# Altium PCB PCBA-2075-02.PcbDoc (part 2 of 2)
Units mil, origin at the board's own origin, x right, y up, seen from the top; angles counter-clockwise.
Board outline 4700 x 3550 mil, 4 copper layers (Top Layer, Signal Layer 1, Signal Layer 2, Bottom Layer), stack 65.3 mil thick; 129 components, 149 nets, 748 pads, 314 vias.
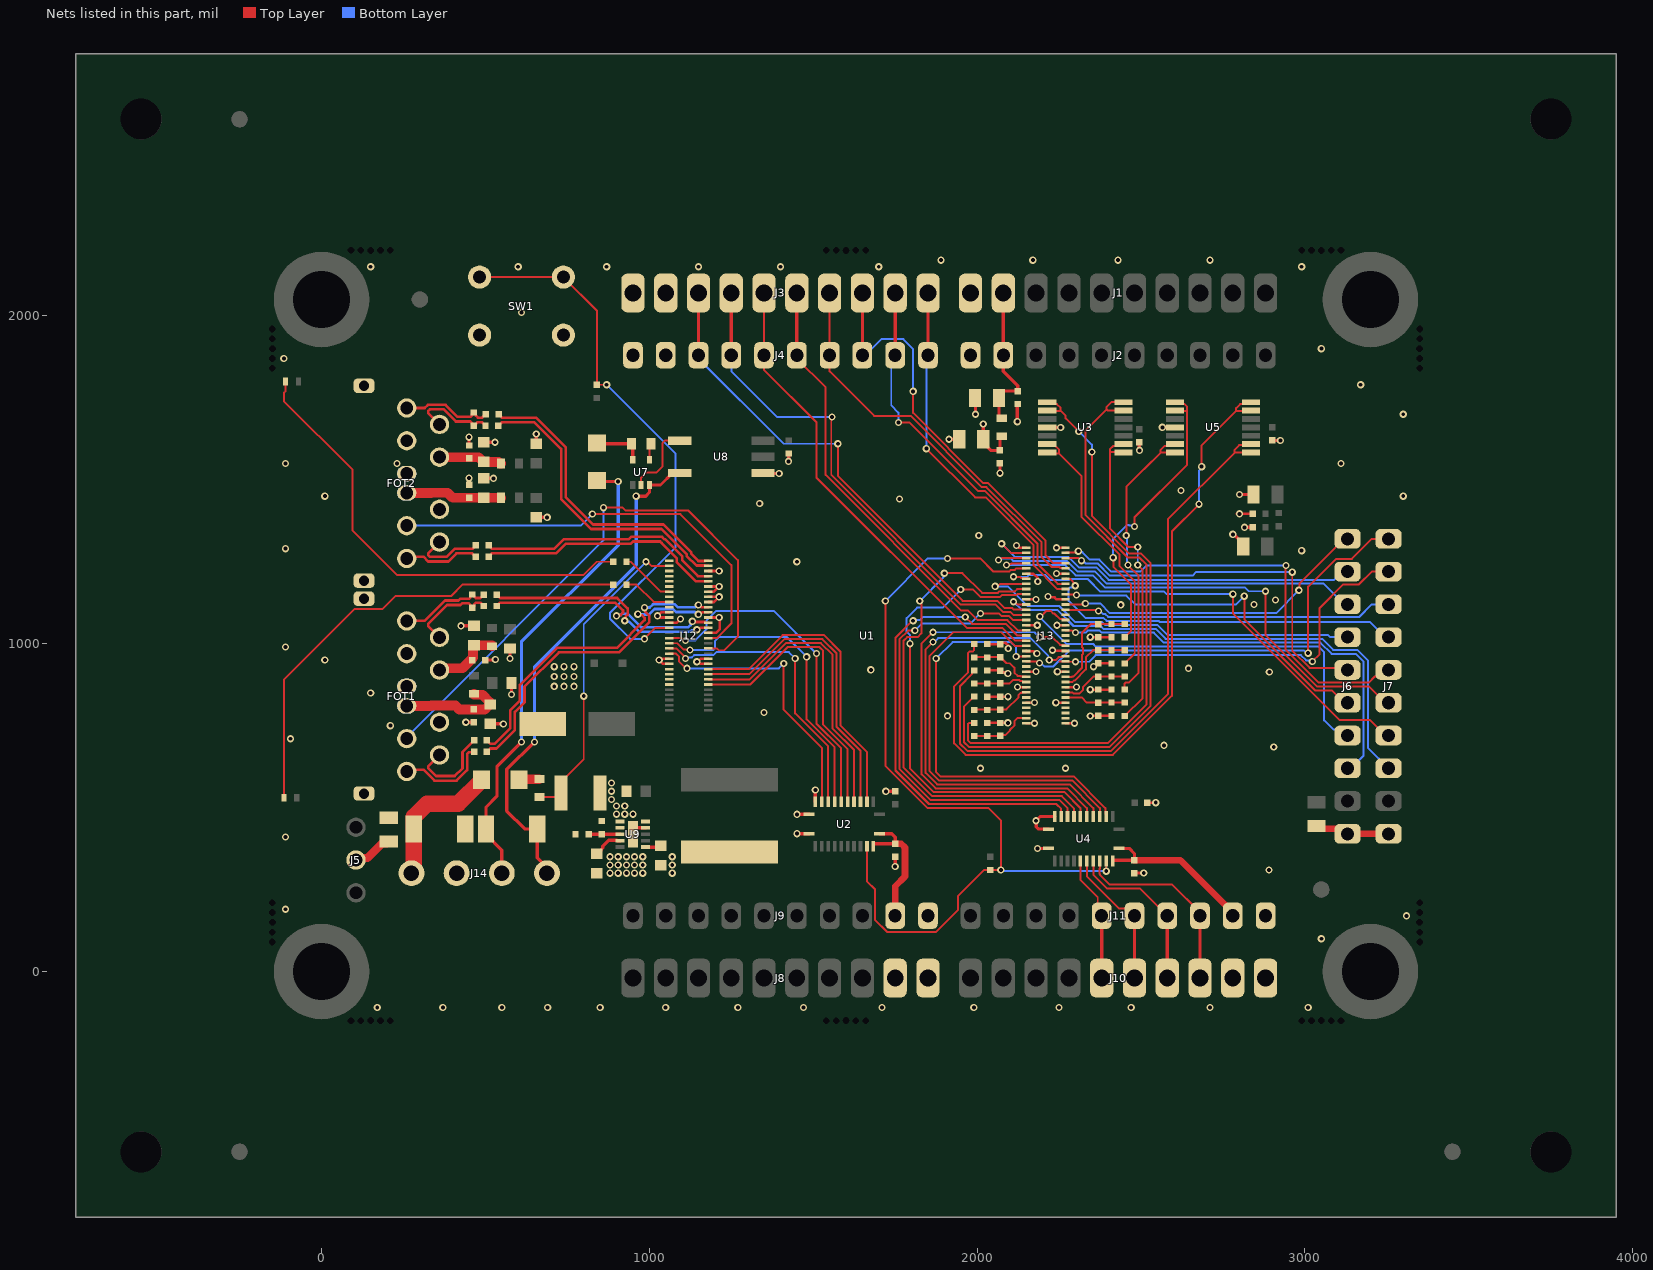
[diagram p4: the nets of this part, all layers, seen from the top]

## Via types
v1: diameter 22, hole 12, Top Layer to Bottom Layer, tented both sides, 314 vias

## Nets (pads, with @x,y where several pads share a name; then routed paths per layer and width w, separated by ;. In a path a pad name is that pad's centre, name@x,y a point inside that pad or via, vN(x,y) a via of type N, cw(c..) or ccw(c..) an arc to the next point about the centre after c; other vN are vias at no path point) (continued)
F5: J10.5 J11.5 U4.18 | length 394
  Top Layer w6: U4.18@2315.16,337.09 2315.16,279.84 2368,227 2368,206.09 2391.98,182.1 2392.1,182.1 J11.5@2380,170
  Top Layer w10: J10.5@2380,-20 J11.5@2380,170
F6: J10.6 J11.6 U4.19 | length 437.7
  Top Layer w6: U4.19@2334.84,337.09 2334.84,290.16 2433,192 2468,192 2480,180 J11.6@2480,170
  Top Layer w10: J10.6@2480,-20 J11.6@2480,170
F7: J10.7 J11.7 U4.20 | length 511.1
  Top Layer w6: U4.20@2354.53,337.09 2354.53,295.47 2397,253 2497,253 2550.41,199.59 2553.91,199.59 2580,173.51 J11.7@2580,170
  Top Layer w10: J10.7@2580,-20 J11.7@2580,170
F8: J10.8 J11.8 U4.21 | length 595.3
  Top Layer w6: U4.21@2374.21,337.09 2374.21,314.7 2373.9,314.39 2373.9,297.82 2374.21,297.5 2374.21,295.79 2405,265 2595,265 2680,180 J11.8@2680,170
  Top Layer w10: J10.8@2680,-20 J11.8@2680,170
GND: C1.1 C2.2 C3.2 C4.1 C5.2 C6.1 C7.2 C8.1 C9.1 C10.1 C11.1 C12.1 C13.1 C14.1 C15.1 C16.1 C17.2 C18.1 C19.1 C20.1 C21.1 C22.1 C23.1 C24.2 C27.1 C28.1 C29.- C30.2 C31.2 C34.1 C63.1 C64.1 C65.1 C68.1 C69.1 C70.2 C74.1 C75.1 C76.1 C79.1 C80.1 C81.2 FOT1.1 FOT1.4 FOT1.6 FOT1.8 FOT1.12 FOT2.1 FOT2.4 FOT2.6 FOT2.8 FOT2.12 J1.10 J2.10 J3.10 J4.10 J6.10 J7.10 J8.10 J9.10 J10.10 J11.10 J12.5 J12.11 J12.13 J12.15 J12.17 J12.22 J12.23 J12.24 J12.26 J12.29 J12.39 J12.40 J12.41 J12.42 J13.1 J13.2 J13.11 J13.12 J13.21 J13.22 J13.31 J13.32 J13.41 J13.42 J13.49 J13.50 J13.55 J13.56 J13.61 J13.62 J13.69 J13.70 J14.2 R2.1 R4.1 R6.1 R8.1 R11.1 R13.1 R15.1 R17.1 R21.2 SW1.2 TVS1.A U1.A1 U1.A2 U1.A11 U1.A12 U1.A21 U1.A22 U1.A31 U1.A32 U1.A41 U1.A42 U1.A49 U1.A50 U1.A55 U1.A56 U1.A61 U1.A62 U1.A69 U1.A70 U1.B5 U1.B11 U1.B13 U1.B15 U1.B17 U1.B22 U1.B23 U1.B24 U1.B26 U1.B29 U1.B39 U1.B40 U1.B41 U1.B42 U2.11 U2.12 U2.13 U3.11 U4.11 U4.12 U4.13 U5.11 U8.4 U9.1 U9.9 U9.11 | length 3187.2
  Top Layer w8: v1(1025,1085) 1028.13,1081.87 1031.01,1081.87 1032.76,1080.12 U1.B24@1060.35,1080.12 ; v1@1025.29,1085 1036.15,1095.87 U1.B22@1060.35,1095.87 ; U1.B42@1059.37,938.39 1041.61,938.39 v1(1030,950) 1033.79,950 1037.92,954.13 U1.B40@1059.37,954.13 ; U1.B26@1060.35,1064.37 1083.85,1064.37 1094.48,1075 v1(1095,1075) ; U1.B41@1179.65,938.39 1155.4,938.39 1148.79,945 1157.92,954.13 U1.B39@1179.65,954.13 ; U1.B29@1179.65,1032.87 1202.87,1032.87 1215,1045 1215,1078.27 v1(1213.15,1080.12) U1.B23@1180.63,1080.12 ; U1.B17@1180.63,1127.36 1196.8,1127.36 v1@1212.55,1143.11 ; U1.B15@1180.63,1143.11 v1@1212.55,1143.11 ; U1.B13@1180.63,1158.86 1196.8,1158.86 v1@1212.55,1174.61 ; U1.B11@1180.63,1174.61 v1@1212.55,1174.61 ; U1.B5@1180.63,1221.85 v1(1213.15,1221.85) ; v1(1213.15,1143.11) v1@1212.55,1143.11 ; v1(1213.15,1174.61) v1@1212.55,1174.61 ; R13.1@2030.63,758.56 v1(2093.56,758.56) ; R15.1@2030.63,838.39 v1(2094.14,838.39) ; R2.1@2030.63,918.56 2070.63,918.56 C10.1@2070.63,918.07 2076.47,912.23 2087.13,912.23 2089.92,909.44 v1(2093.71,909.44) ; R4.1@2030.63,998.56 2070.63,998.56 2074.84,1002.77 2086.7,1002.77 2095,994.47 v1(2095,985) ; v1(2069.69,1520.31) C2.2@2069.69,1550.31 ; v1(2120,1300) 2127.28,1292.72 U1.A2@2150.35,1292.72 ; v1(2123.3,867.52) U1.A56@2149.37,867.52 ; U1.A70@2149.37,757.28 v1(2175.44,757.28) ; U1.A62@2149.37,820.28 v1(2175.44,820.28) ; U1.A50@2149.37,914.76 v1@2175.44,914.76 ; U1.A42@2149.37,977.76 2150.12,977.01 2171.96,977.01 2178.97,970 v1(2182.22,970) ; U1.A32@2149.37,1056.5 2183.31,1056.5 v1(2183.46,1056.35) ; U1.A22@2150.35,1135.24 v1(2179.76,1135.24) ; U1.A12@2150.35,1213.98 2171.02,1213.98 2185,1200 v1(2185,1190) ; v1(2215.91,1144.09) 2218.59,1141.41 2236.74,1141.41 2242.91,1135.24 U1.A21@2270.63,1135.24 ; v1(2230,980) 2231.5,978.5 2269.88,978.5 U1.A41@2270.63,977.76 ; v1(2241.73,1292.72) U1.A1@2270.63,1292.72 ; v1(2242.27,1213.98) U1.A11@2270.63,1213.98 ; v1(2243.38,1056.37) 2243.5,1056.5 U1.A31@2270.63,1056.5 ; v1@2244.56,820.28 U1.A61@2270.63,820.28 ; v1(2244.56,914.76) U1.A49@2270.63,914.76 ; U1.A69@2270.63,757.28 v1(2296.7,757.28) ; U1.A55@2270.63,867.52 v1(2303.26,867.52) ; v1(2345.18,779.82) R11.1@2410,779.82 ; v1(2345.18,859.82) R8.1@2410,859.82 ; v1(2345.18,1019.82) R6.1@2410,1019.82 ; v1(2355,930) 2355,934.21 2355.26,934.47 2364.65,934.47 2370,939.82 R17.1@2410,939.82 ; C19.1@2519.69,515 v1(2545,515) ; v1@2792.08,1396.17 C7.2@2840.31,1396.17 ; v1(2800,1455) C6.1@2843.27,1455
  Top Layer w10: v1(425.47,1054.53) C64.1@465,1054.53 ; v1(440.31,760.31) C70.2@465,760.31 ; C81.2@450,1484.69 v1(450,1505) ; C76.1@450,1604.69 v1(450,1630) ; C80.1@495,1504.53 v1(524.53,1504.53) ; C75.1@495,1614.53 v1(529.53,1614.53) ; C65.1@499.68,950 530,950 530,952.1 v1(530.16,952.26) ; C69.1@515,755.47 v1(554.53,755.47) ; v1(575,955) C68.1@575,985.47 ; v1(579.53,845.47) C63.1@579.53,880 ; C79.1@655,1385.47 v1(688.52,1385.47) ; C74.1@655,1609.53 v1(655,1640) ; U9.11@950,418.73 950,427.67 960.75,438.42 U9.9@988.98,438.42 ; U8.4@1347.17,1520 1347.62,1519.55 1395.79,1519.55 v1(1396.24,1519.1) ; v1(1425,1556.36) C24.2@1425,1580.31 ; v1(1450.47,420.47) U2.13@1487.72,420.47 ; v1(1450.47,479.53) U2.12@1487.72,479.53 ; U2.11@1506.42,517.91 v1(1506.42,553.58) ; v1(1721.58,549.68) C14.1@1750,549.68 ; v1(1750,320) C15.1@1750,350.32 ; v1(1913.79,1623.79) C1.1@1945.87,1623.79 ; C8.1@1993.58,1750 1995,1748.58 v1(1995,1700) ; v1(2122.65,1677.35) 2122.65,1729.96 C9.1@2124,1731.31 ; v1(2184.53,375.47) U4.13@2217.72,375.47 ; U4.12@2217.72,434.53 2217.2,435.04 2185.86,435.04 2180,440.9 v1(2180,460) 2192.91,472.91 U4.11@2236.42,472.91 ; U3.11@2230,1660 2230.09,1659.91 2254.73,1659.91 v1@2254.82,1660 ; C20.1@2480,300.32 v1(2508.32,300.32) ; v1(2495,1590) C17.2@2495,1614.72 ; v1@2565.18,1660 2565.27,1660.09 2589.91,1660.09 U5.11@2590,1660 ; v1(2780,1333.61) 2782.3,1331.31 2786.32,1331.31 2812.17,1305.46 C4.1@2812.17,1296.61 ; v1(2816.06,1355) C5.2@2840.31,1355 ; C3.2@2900,1620.31 2900.16,1620.16 2924.84,1620.16 v1(2925,1620)
  Top Layer w20: C34.1@3035,443.58 3043.7,434.88 3115.12,434.88 J6.10@3130,420 J7.10@3255,420
  other v1: 170,-110 370,-110 550,-110 690,-110 850,-110 1050,-110 1270,-110 1470,-110 1710,-110 1990,-110 2250,-110 2470,-110 2710,-110 3010,-110 3050,100 3310,170 -110,190 880,300 905,300 930,300 955,300 980,300 1070,300 2890,310 880,325 905,325 930,325 955,325 980,325 1070,325 880,350 905,350 930,350 955,350 980,350 1070,350 -110,410 900,480 925,480 950,480 900,505 925,505 885,525 885,550 885,575 2010,620 2270,620 2905,685 2570,690 -94.68,710 210,750 1910,780 1350,790 2240,820 150,850 710,870 740,870 770,870 710,900 740,900 770,900 2891.31,913.75 2180,915 1675.73,920.35 2645,925 710,930 740,930 770,930 1145,945 10,950 -110,990 2438.17,1118.64 2845,1120 2910.14,1133.69 1450,1250 2990.19,1283.84 -110,1290 2005,1330 2800,1396.17 1336.61,1427.8 1762.97,1441.31 10,1450 3300,1450 2622.26,1467.26 -110,1550 230,1550 3110,1550 2255,1659.82 2565,1660.18 3300,1700 3170,1790 -115,1870 3050,1900 610,2010 150,2150 600,2150 870,2150 1150,2150 1400,2150 1700,2150 2990,2150 1890,2170 2170,2170 2430,2170 2710,2170
LED_B: J12.12 U1.B12
LED_G: J12.8 U1.B8
LED_R: J12.10 U1.B10
M_STOP: D2.A J14.3 TVS2.C | length 1452.3
  Top Layer w10: J14.3@560,300 550,310 550,370.51 501.85,418.66 TVS2.C@501.85,435 501.85,501.85 535,535 535,625 v1(610,700) ; D2.A@840,1497.91 842.91,1495 v1(905,1495)
  Bottom Layer w10: v1(610,700) 610,1005.56 905,1300.56 v1(905,1495)
M_STOP_RTN: J14.4 TVS2.A U7.3 U8.3 | length 1562.3
  Top Layer w10: v1(650,700) 648.38,700 565.5,617.12 565.5,489.5 620,435 TVS2.A@658.15,435 658.15,347.25 687.8,317.6 J14.4@687.8,300 ; v1(960,1450) 988.87,1450 1000.59,1461.72 U7.3@1000.59,1484.11 1034.11,1484.11 1070,1520 U8.3@1092.83,1520
  Bottom Layer w10: v1(650,700) 650,929.8 960,1239.8 v1(960,1450)
NetC30_1: C30.1 U9.4 | length 93.6
  Top Layer w10: C30.1@840,359.06 841.97,359.06 852.72,369.8 852.72,371.77 857.81,376.86 857.81,382.69 875.85,400.73 901.46,400.73 903.15,399.05 U9.4@911.02,399.05
NetC31_1: C31.1 U9.6 | length 57.8
  Top Layer w10: U9.6@988.98,379.36 1040.64,379.36 C31.1@1045,375
NetC64_2: C64.2 C65.2 FOT1.5 L2.2 | length 216.1
  Top Layer w30: FOT1.5@360,919.53 365.56,925.09 430.27,925.09 462.28,957.1 462.28,994.72 463.03,995.47 C64.2@465,995.47 519.25,995.47 520,994.72 L2.2@520,992.44
NetC69_2: C69.2 C70.1 FOT1.7 L3.2 | length 333.5
  Top Layer w30: FOT1.7@260,810.47 334.53,810.47 335.06,811 409,811 420.32,799.68 C70.1@465,799.68 498.19,799.68 C69.2@513.03,814.53 ; L3.2@465,847.44 465,845 465.75,844.25 490.75,844.25 512.28,822.72 512.28,815.28 C69.2@513.03,814.53 ; C69.2@515,814.53 C69.2@513.03,814.53
NetC75_2: C75.2 C76.2 FOT2.5 L4.2 | length 198.4
  Top Layer w30: FOT2.5@360,1569.06 363.74,1565.31 367.48,1569.06 479.45,1569.06 493.78,1554.72 540.28,1554.72 545,1550 L4.2@547.44,1550
NetC80_2: C80.2 C81.1 FOT2.7 L5.2 | length 294.1
  Top Layer w30: FOT2.7@260,1460 334.53,1460 335.06,1460.53 384.92,1460.53 400.13,1445.31 C81.1@450,1445.31 547.13,1445.31 L5.2@547.44,1445
NetD1_C: D1.C FB3.1 | length 62.7
  Top Layer w30: D1.C@602.09,585 603.37,586.28 603.72,586.28 FB3.1@664.25,586.28
NetD2_C: D2.C R18.2 U7.5 | length 157.1
  Top Layer w10: D2.C@840,1612.09 842.09,1610 R18.2@945.47,1610 949.41,1606.06 U7.5@949.41,1560.89
NetJ12_2: J12.2 U1.B2
NetJ12_6: J12.6 U1.B6
NetL1_1: L1.1 U9.10
NetLED1_C: LED1.C R25.2 | length 1484.8
  Top Layer w6: LED1.C@-114.68,530 -114.68,890.32 101.59,1106.59 186.59,1106.59 225,1145 395,1145 430,1180 R25.2@889.82,1180
NetLED2_C: LED2.C R23.2 | length 1411.5
  Top Layer w6: LED2.C@-109.68,1800 -109.68,1770.69 -115,1765.37 -115,1740 95,1530 95,1345 230,1210 800,1210 840,1250 R23.2@889.82,1250
NetR1_1: R1.1 U5.1 U5.2 | length 1894.5
  Top Layer w6: R1.1@1990.63,918.56 1990.14,918.56 1983.79,912.21 1983.79,906.82 1947.79,870.82 1947.79,695.19 1969.98,673 2409.04,673 2582,845.96 2582,1379.48 2785.75,1583.23 ; U5.1@2836.14,1583.23 2785.75,1583.23 ; U5.2@2836.14,1608.82 2832.87,1605.55 2799.58,1605.55 2785.75,1591.71 2785.75,1583.23
NetR3_1: R3.1 U5.6 U5.7 | length 2145.6
  Top Layer w6: R3.1@1990.63,998.56 1990.63,980.07 1987.12,976.56 1977.06,976.56 1971.79,971.29 1971.79,911.79 1930,870 1930,696.01 1965.01,661 2414.01,661 2594,840.99 2594,1342.36 v1(2677.23,1425.59) ; v1(2685,1540) 2685,1605 2790,1710 ; U5.6@2836.14,1711.18 2834.96,1710 2790,1710 ; U5.7@2836.14,1736.77 2830.28,1730.91 2802.43,1730.91 2790,1718.49 2790,1710
  Bottom Layer w6: v1(2677.23,1425.59) 2677.23,1528.44 2685,1536.21 v1(2685,1540)
NetR5_1: R5.1 U5.8 U5.9 | length 899.9
  Top Layer w6: v1(2415,1262.52) 2415.64,1261.88 2415.64,1234.36 2468.84,1181.16 2468.84,1038.17 2450.49,1019.82 R5.1@2450,1019.82 ; v1(2480,1358) 2480,1385 2640.42,1545.42 2640.42,1709.58 2640,1710 ; U5.9@2603.86,1711.18 2605.04,1710 2640,1710 ; U5.8@2627.41,1731.92 2628.42,1730.91 2633.27,1730.91 2640,1724.18 2640,1710
  Bottom Layer w6: v1(2415,1262.52) 2415,1320 2457,1362 2463,1362 2463.94,1361.06 2476.94,1361.06 v1(2480,1358)
NetR7_1: R7.1 U5.13 U5.14 | length 909.4
  Top Layer w6: R7.1@2450,859.82 2450,878.17 2453.65,881.83 2463.57,881.83 2492.84,911.1 2492.84,1207.16 v1(2460,1240) ; v1(2455,1330) 2455,1478.28 2509,1532.29 2509.06,1532.29 2560,1583.23 ; U5.14@2603.86,1583.23 2560,1583.23 ; U5.13@2603.86,1608.82 2598,1602.96 2571.25,1602.96 2560,1591.71 2560,1583.23
  Bottom Layer w6: v1(2455,1330) 2457.5,1327.5 2457.5,1242.5 v1(2460,1240)
NetR10_1: R10.1 U3.1 U3.2 | length 984
  Top Layer w6: U3.1@2446.14,1583.23 2444.37,1585 2405,1585 ; U3.2@2446.14,1608.82 2440.28,1602.96 2414.48,1602.96 2405,1593.49 2405,1585 ; R10.1@2450,779.82 2450.49,779.82 2504.84,834.17 2504.84,1225.16 2495,1235 v1(2490,1240) ; v1(2490,1295) 2461.72,1295 2405,1351.72 2405,1585
  Bottom Layer w6: v1(2490,1240) v1(2490,1295)
NetR12_1: R12.1 U3.6 U3.7 | length 1809.8
  Top Layer w6: R12.1@1990.63,758.56 1975.3,758.56 1971.79,755.05 1971.79,705.13 1979.92,697 2399.1,697 2516.84,814.74 2516.84,1241.44 2495.28,1263 2459.77,1263 2330,1392.77 2330,1649.7 2395,1714.7 ; U3.6@2446.14,1711.18 2398.51,1711.18 2395,1714.7 ; U3.7@2446.14,1736.77 2409.58,1736.77 2395,1722.19 2395,1714.7
NetR14_1: R14.1 U3.8 U3.9 | length 1912.2
  Top Layer w6: R14.1@1990.63,838.56 1990.14,838.56 1959.79,808.21 1959.79,700.16 1974.95,685 2404.07,685 2528.84,809.77 2528.84,1246.41 2500.25,1275 2464.75,1275 2350,1389.75 v1(2350,1585) ; U3.9@2213.86,1711.18 2215.04,1710 2255,1710 ; U3.8@2213.86,1736.77 2219.72,1730.91 2243.27,1730.91 2255,1719.18 2255,1710 ; v1(2310,1647.5) 2270,1687.5 2270,1695 2255,1710
  Bottom Layer w6: v1(2310,1647.5) 2350,1607.5 v1(2350,1585)
NetR16_1: R16.1 U3.13 U3.14 | length 841.1
  Top Layer w6: U3.14@2213.86,1583.23 2217.09,1580 2250,1580 ; U3.13@2213.86,1608.82 2232.56,1608.82 2250,1591.38 2250,1580 ; R16.1@2450,939.82 2450.49,939.82 2480.84,970.17 2480.84,1190.87 2435,1236.72 2435,1270.8 2318,1387.8 2318,1512 2250,1580
NetR18_1: R18.1 U7.4 | length 45.2
  Top Layer w6: U7.4@1000.59,1560.89 R18.1@1000.59,1606.06
NetR19_1: R19.1 R21.1 U9.3 | length 96
  Top Layer w10: R21.1@815.18,418.73 815.27,418.64 R19.1@850.16,418.64 ; R19.1@850.18,418.66 850.18,418.73 850.27,418.64 910.94,418.64 U9.3@911.02,418.73
NetU7_2: U7.2 U8.1 | length 229.3
  Top Layer w6: U7.2@975,1484.11 975,1506.6 990.9,1522.5 1022.5,1522.5 1040,1540 1040,1611.77 1048.23,1620 U8.1@1092.83,1620
NRST: J12.44 U1.B44
P1LED0: J12.14 R23.1 U1.B14 | length 166.9
  Top Layer w6: R23.1@930.18,1250 943.57,1250 1034.71,1158.86 U1.B14@1059.37,1158.86
P1LED1: J12.16 U1.B16
P2LED0: J12.18 R25.1 U1.B18 | length 151
  Top Layer w6: R25.1@930.18,1180 960.25,1180 1012.89,1127.36 U1.B18@1059.37,1127.36
P2LED1: J12.20 U1.B20
PA0_ADC123_CH0: C10.2 J13.54 R1.2 R2.2 U1.A54 | length 166.4
  Top Layer w6: R1.2@1990.63,878.21 R2.2@2030.63,878.21 2070.63,878.21 2098.21,878.21 2110,890 2127.88,890 2131.86,886.02 2136.84,886.02 2139.59,883.27 U1.A54@2149.37,883.27
PA3_ADC123_CH3: C11.2 J13.52 R3.2 R4.2 U1.A52 | length 191
  Top Layer w6: R3.2@1990.63,958.21 1992.42,960 2030.63,960 2061.11,960 C11.2@2066.52,954.59 ; C11.2@2070.63,958.7 2077.47,951.86 2078.14,951.86 2089.6,940.4 2099.98,940.4 2113.54,926.85 2113.54,912.07 2123.61,902 2132.85,902 2134.83,900.02 2148.37,900.02 U1.A52@2149.37,899.02
PA4_ADC12_CH4: C13.2 J13.51 R5.2 R6.2 U1.A51 | length 312
  Top Layer w6: U1.A51@2270.63,899.02 2289.5,899.02 2290.01,899.52 2293.16,899.52 2320,926.36 2320,965.8 2323.68,969.47 2323.68,986.04 2320,989.72 2320,1033.61 2346.56,1060.18 R6.2@2410,1060.18 R5.2@2450,1060.18
PA5_ADC12_CH5: C16.2 J13.57 R7.2 R8.2 U1.A57 | length 208.2
  Top Layer w6: U1.A57@2270.63,851.77 2290.73,851.77 2294.98,847.52 2311.55,847.52 2323.26,859.24 2323.26,868.26 2355.18,900.18 R8.2@2410,900.18 R7.2@2450,900.18
PA6_ADC12_CH6: C18.2 J13.59 R10.2 R11.2 U1.A59 | length 186.4
  Top Layer w6: U1.A59@2270.63,836.02 2289.5,836.02 2290.01,835.52 2316.52,835.52 2317.02,836.02 2318.98,836.02 2334.82,820.18 R11.2@2410,820.18 R10.2@2450,820.18
PB0: J13.40 U1.A40 U4.4 | length 1285.2
  Top Layer w6: U1.A40@2149.37,993.5 2114.78,993.5 2073.28,1035 1926.72,1035 1855,963.28 1855,611.06 1883.06,583 2290.02,583 2374.37,498.65 2374.37,473.07 U4.4@2374.21,472.91
PB1: J13.44 U1.A44 U4.3 | length 1261.3
  Top Layer w6: v1(1875,955) 1875,608.03 1888.03,595 2294.99,595 2391.39,498.6 2391.39,481.53 U4.3@2395,477.91 ; v1(2119.14,960.86) 2119.72,961.43 2148.8,961.43 U1.A44@2149.37,962.01
  Bottom Layer w6: v1(1875,955) 1925,1005 2103.28,1005 2119.14,989.14 v1(2119.14,960.86)
PB3: J12.46 U1.B46
PB9: J12.32 U1.B32 U2.7 | length 1043.3
  Top Layer w6: U1.B32@1059.37,1017.13 1098.54,1017.13 1105.67,1010 v1(1110,1010) ; v1(1510,970) 1510,756.31 1585.16,681.16 U2.7@1585.16,517.91
  Bottom Layer w6: v1(1110,1010) 1140.79,1010 1174.36,1043.57 1174.36,1069.61 1204.87,1100.12 1379.88,1100.12 v1(1510,970)
PC0_ADC123_CH10: C21.2 J13.68 R12.2 R13.2 U1.A68 | length 191.3
  Top Layer w6: R12.2@1990.63,718.21 R13.2@2030.63,718.21 2070.14,718.21 2072.89,720.96 2085.96,720.96 2100,735 2100,738.56 2101.85,738.56 2113.56,750.28 2113.56,763.56 2123.03,773.03 U1.A68@2149.37,773.03
PC2_ADC123_CH12: C22.2 J13.58 R14.2 R15.2 U1.A58 | length 184.8
  Top Layer w6: R14.2@1990.63,798.21 1992.42,800 2030.63,800 2070.63,800 2089.47,800 2126.59,837.12 2126.59,843.75 2131.86,849.02 2134.09,849.02 2135.84,850.77 2148.37,850.77 U1.A58@2149.37,851.77
PC3_ADC123_CH13: C23.2 J13.53 R16.2 R17.2 U1.A53 | length 241.1
  Top Layer w6: U1.A53@2270.63,883.27 2290.73,883.27 2294.98,887.52 2298.13,887.52 2332,921.39 2332,958.25 2353.92,980.18 R17.2@2410,980.18 R16.2@2450,980.18
PC6: J6.4 J13.16 U1.A16 | length 1238.1
  Top Layer w6: v1(2055,1175) 2059.97,1175 2061.65,1173.32 2070.8,1182.48 U1.A16@2149.37,1182.48
  Bottom Layer w6: v1(2055,1175) 2093.81,1175 2153.57,1115.24 2249.76,1115.24 2299,1066 2381.37,1066 2389.81,1057.57 2549.4,1057.57 2579.97,1027 3069.97,1027 3076.97,1020 J6.4@3130,1020
PC7_PA8: J6.5 J13.5 U1.A5 | length 1149.3
  Top Layer w6: U1.A5@2270.63,1261.22 2309.45,1261.22 2317.31,1253.36 v1(2318.36,1253.36) ; v1(2961.36,1218.13) 2961.36,978.84 3014.24,925.96 3124.04,925.96 J6.5@3130,920
  Bottom Layer w6: v1(2318.36,1253.36) 2322.69,1253.36 2331.31,1244.74 2368.14,1244.74 2404.88,1208 2657.47,1208 2667.61,1218.13 v1(2961.36,1218.13)
PC8_PB10: J7.7 J13.14 U1.A14 | length 1431.4
  Top Layer w6: v1(2110.69,1204.31) 2110.88,1204.12 2130.69,1204.12 2134.81,1200 J13.14@2154.02,1200 ; v1(2780,1151) 2780,1092.32 3105,767.33 3197.67,767.33 3245,720 J7.7@3255,720
  Bottom Layer w6: v1(2110.69,1204.31) 2152.55,1204.31 2158.24,1210 2207.93,1210 2223.95,1193.98 2279.72,1193.98 2282.49,1196.74 2338.26,1196.74 2376,1159 2570.28,1159 2578.28,1151 v1(2780,1151)
PC9_PA9: J7.4 J13.13 U1.A13 | length 1122.7
  Top Layer w6: U1.A13@2271.52,1199.11 2273.4,1197.23 2284.42,1197.23 2291.44,1190.21 2291.44,1189.07 2299.44,1181.07 v1(2299.44,1176.74)
  Bottom Layer w6: v1(2299.44,1176.74) 2295.11,1176.74 2289.33,1170.95 2283.24,1170.95 2279,1166.71 2279,1131 2331.99,1078.01 2386.33,1078.01 2394.78,1069.57 2554.38,1069.57 2557.94,1066 3199,1066 3245,1020 J7.4@3255,1020
PC13: J12.34 U1.B34 U2.8 | length 960.7
  Top Layer w6: U1.B34@1059.37,1001.38 1084.8,1001.38 1104.4,981.78 1123.39,981.78 v1(1124.4,980.76) ; v1(1480,960) 1480,769.34 1565.47,683.87 U2.8@1565.47,517.91
  Bottom Layer w6: v1(1124.4,980.76) 1194.52,980.76 1199.89,986.13 1199.89,1008.18 1211.72,1020 1420,1020 v1(1480,960)
PD0_PD6: J6.7 J13.29 U1.A29 | length 1310.8
  Top Layer w6: v1(2191.27,1083.24) 2194.94,1083.24 2211.7,1100 2224.12,1100 2232.11,1092.01 2236.11,1092.01 2253.12,1074.99 2267.88,1074.99 U1.A29@2270.63,1072.24
  Bottom Layer w6: v1(2191.27,1083.24) 2191.27,1080.2 2271.64,999.82 2353.46,999.82 2362.28,991 3042.28,991 3058.66,974.63 3058.66,766.34 3086.53,738.47 3111.53,738.47 J6.7@3130,720
PD1_PD5: J6.8 J13.33 U1.A33 | length 1304.4
  Top Layer w6: U1.A33@2270,1040.37 2270.63,1039.75 2289.92,1039.75 2295.67,1034 v1(2300,1034)
  Bottom Layer w6: v1(2300,1034) 2331.07,1034 2336.89,1039.82 2373.61,1039.82 2379.87,1033.57 2539.46,1033.57 2570.03,1003 3047.25,1003 3081.25,969 3154.94,969 3179,944.94 3179,659 3140,620 J6.8@3130,620
PD12_PB14: J6.1 J13.23 U1.A23 | length 977.5
  Top Layer w6: U1.A23@2270.37,1119.74 2327,1119.74 v1(2330,1122.74) ; v1(2981.36,1163) 2983,1164.64 2983,1183 3120,1320 J6.1@3130,1320
  Bottom Layer w6: v1(2330,1122.74) 2375.54,1122.74 2404.72,1093.57 2911.93,1093.57 v1(2981.36,1163)
PD13: J6.2 J13.4 U1.A4 | length 1196.9
  Top Layer w6: v1(2075,1305) 2103.03,1276.97 U1.A4@2149.37,1276.97
  Bottom Layer w6: v1(2075,1305) 2116,1264 2279.43,1264 2310.44,1232.99 2317.27,1232.99 2317.52,1232.74 2363.17,1232.74 2400.91,1195 3089.49,1195 3114.49,1220 J6.2@3130,1220
PD14: J6.3 J13.6 U1.A6 | length 1198.9
  Top Layer w6: 2075.55,1261.22 U1.A6@2149.37,1261.22
  Bottom Layer w6: v1(2065,1255) 2069.33,1255 2074.33,1260 2103.03,1260 2111.03,1252 2274.46,1252 2305.47,1220.99 2312.3,1220.99 2312.55,1220.74 2358.2,1220.74 2395.94,1183 3057,1183 3120,1120 J6.3@3130,1120
PD15: J13.10 R9.2 U1.A10 U2.22 U4.22 | length 2669.3
  Top Layer w6: U2.22@1663.9,382.09 1663.9,275.26 1689,250.16 1689,157.06 1725.06,121 1874.94,121 1941,187.06 1941,229.84 2021.16,310 R9.2@2039.33,310 ; v1(1720,1130) 1720,627.27 1848.27,499 2034.28,499 2072.2,461.08 v1(2072.2,310) 2040.18,310 R9.2@2040,309.82 ; v1(1910,1260) 2010,1260 2050,1220 2098.28,1220 2103.28,1225 2115,1225 2119.72,1229.72 U1.A10@2149.37,1229.72 ; v1(2393.9,306.1) U4.22@2393.9,337.09
  Bottom Layer w6: v1(1720,1130) 1850,1260 v1(1910,1260) ; v1(2072.2,310) 2076.1,306.1 v1(2393.9,306.1)
PE2: J12.45 U1.B45 U2.4 | length 936.1
  Top Layer w6: U1.B45@1180.63,906.89 1304.66,906.89 1411.77,1014 1528.23,1014 1571,971.23 1571,746.23 1644.21,673.01 U2.4@1644.21,517.91
PE3: J12.43 U1.B43 U2.3 | length 957.6
  Top Layer w6: U1.B43@1180.63,922.64 1303.44,922.64 1406.8,1026 1533.2,1026 1583,976.2 1583,751.2 1663.9,670.3 U2.3@1663.9,517.91
PE4: J12.47 U1.B47 U2.5 | length 914.6
  Top Layer w6: U1.B47@1180.63,891.14 1305.89,891.14 1416.75,1002 1523.25,1002 1559,966.25 1559,741.25 1624.53,675.73 U2.5@1624.53,517.91
PE7: J3.5 J4.5 J13.34 U1.A34 | length 1379.4
  Top Layer w6: J4.5@1450,1870 1537.59,1782.41 1537.59,1515.19 1951.66,1101.11 1972.85,1101.11 2001.72,1072.24 2092.61,1072.24 2124.1,1040.75 U1.A34@2149.37,1040.75
  Top Layer w10: J4.5@1450,1890 J3.5@1450,2070
PE8_PF11: J3.6 J4.6 J13.38 U1.A38 | length 1475
  Top Layer w6: J3.6@1350,2070 J4.6@1350,1880 1350.49,1879.51 1350.49,1834.51 1510,1675 1510,1506.72 1968.47,1048.24 2077.01,1048.24 2116,1009.25 U1.A38@2149.37,1009.25
PE9: J13.36 U1.A36 U4.10 | length 1429.4
  Top Layer w6: v1(1805,1070) 1802.77,1070 1751,1018.23 1751,613.24 1853.24,511 2241.05,511 2256.1,495.95 U4.10@2256.1,472.91 ; v1(1963.89,1081.11) 1984.76,1060.24 2087.64,1060.24 2122.88,1025 U1.A36@2149.37,1025
  Bottom Layer w6: v1(1805,1070) 1806.97,1071.97 1825,1071.97 1834.14,1081.11 v1(1963.89,1081.11)
PE10: J3.7 J4.7 J13.28 U1.A28 | length 1553.2
  Top Layer w6: v1(1557.59,1691.3) 1555,1688.72 1555,1514.75 1950.75,1119 2056.67,1119 2079.43,1096.24 2102.55,1096.24 2110.8,1087.99 U1.A28@2149.37,1087.99
  Top Layer w10: J4.7@1250,1880 J3.7@1250,2070
  Bottom Layer w6: J4.7@1250,1880 1250,1831 1389.7,1691.3 v1(1557.59,1691.3)
PE11: J13.30 U1.A30 U4.9 | length 1410.5
  Top Layer w6: v1(1810,1040) 1789.75,1040 1763,1013.25 1763,618.21 1858.21,523 2251.43,523 2275.79,498.65 U4.9@2275.79,472.91 ; v1(2010,1092.24) 2066.46,1092.24 2074.46,1084.24 2097.58,1084.24 2109.58,1072.24 U1.A30@2149.37,1072.24
  Bottom Layer w6: v1(1810,1040) 1831.11,1061.11 1978.87,1061.11 v1(2010,1092.24)
PE12: J7.8 J13.24 U1.A24 | length 1554.4
  Top Layer w6: v1(2110.83,1127.97) 2115.24,1127.97 2123.71,1119.49 U1.A24@2149.37,1119.49
  Bottom Layer w6: v1(2110.83,1127.97) 2135.57,1103.24 2244.79,1103.24 2294.03,1054 2376.4,1054 2384.84,1045.57 2544.43,1045.57 2575,1015 3052.23,1015 3086.23,981 3159.91,981 3192.01,948.9 3192.01,682.99 3225.41,649.59 3225.41,646.09 3251.49,620 J7.8@3255,620
PE13: J13.18 U1.A18 U4.8 | length 1542.6
  Top Layer w6: v1(1825,1130) 1825,1125.67 1830,1120.67 1830,1031.72 1818.28,1020 1786.72,1020 1775,1008.28 1775,623.18 1863.18,535 2258.28,535 2295.47,497.81 U4.8@2295.47,472.91 ; v1(1900,1215) 1955,1215 2015,1155 2063.28,1155 2068.25,1159.97 2114.97,1159.97 2121.73,1166.73 U1.A18@2149.37,1166.73
  Bottom Layer w6: v1(1825,1130) 1896.94,1201.94 1896.94,1211.94 v1(1900,1215)
PE14: J13.20 U1.A20 U4.7 | length 1471.4
  Top Layer w6: v1(1795,1000) 1795,620.15 1868.15,547 2266.96,547 2315.31,498.65 2315.31,473.07 U4.7@2315.16,472.91 ; v1(1950,1165) 1988.03,1165 2010.03,1143 2070.32,1143 2075.29,1147.97 2119.94,1147.97 2122.95,1150.98 U1.A20@2149.37,1150.98
  Bottom Layer w6: v1(1795,1000) 1795,1026.72 1785,1036.72 1785,1078.28 1816.72,1110 1895,1110 v1(1950,1165)
PF2: J12.49 U1.B49 U2.6 | length 896
  Top Layer w6: U1.B49@1180.63,875.39 1307.11,875.39 1421.72,990 1518.28,990 1530,978.28 1530,753.28 1605,678.28 U2.6@1605,515
PF6: J12.38 U1.B38 U2.10 | length 854.4
  Top Layer w6: U1.B38@1059.37,969.88 1081.39,969.88 1090,961.27 1090,946.72 1111.72,925 v1(1115,925) ; v1(1410,940) 1410,798.69 1526.42,682.28 1526.42,545.3 1526.1,544.98 U2.10@1526.1,517.91
  Bottom Layer w6: v1(1115,925) 1395,925 v1(1410,940)
PF7_ADC3_CH5: J13.67 U1.A67
PF8_ADC3_CH6: J13.60 U1.A60
PF9_ADC3_CH7: J13.65 U1.A65
PF10_ADC3_CH8: J13.63 U1.A63
PG9_PF0: J13.35 U1.A35
PG12: J13.37 U1.A37
PG13_PB4: J13.39 U1.A39 U4.6 | length 1442.8
  Top Layer w6: v1(1865,1035) 1831,1001 1831,601.12 1873.12,559 2274.49,559 2334.84,498.65 U4.6@2334.84,472.91 ; v1(2190,1020) 2209.37,1020 2229.37,1020 2253.12,996.25 2267.88,996.25 U1.A39@2270.63,993.5
  Bottom Layer w6: v1(1865,1035) 2175,1035 v1(2190,1020)
PG14_PB5: J13.43 U1.A43 U4.5 | length 1440.9
  Top Layer w6: v1(1865,1005) 1843,983 1843,606.09 1878.09,571 2282.17,571 2354.53,498.65 U4.5@2354.53,472.91 ; v1(2220,950) 2239.29,950 2248.55,959.26 2259.84,959.26 2264.58,964 2264.83,963.76 2268.88,963.76 U1.A43@2270.63,962.01
  Bottom Layer w6: v1(1865,1005) 1869.28,1005 1881.28,1017 2163.5,1017 2216.94,963.56 2216.94,953.06 v1(2220,950)
PG15: J12.36 U1.B36 U2.9 | length 886.7
  Top Layer w6: U1.B36@1059.37,985.63 1082.61,985.63 1110,958.24 v1(1110,955) ; v1(1445,955) 1445,787.37 1545.79,686.59 U2.9@1545.79,517.91
  Bottom Layer w6: v1@1116.94,958.06 1129.78,958.06 1136.72,965 1195.73,965 1204.87,974.13 1425.87,974.13 v1(1445,955)
PH4_PI7: J13.47 U1.A47
PH5_PF1: J13.48 U1.A48
PH6_PH12: J3.8 J4.8 J13.26 U1.A26 | length 1574.3
  Top Layer w6: v1(1575,1610) 1575,1511.72 1955.72,1131 2061.65,1131 2084.4,1108.24 2107.52,1108.24 2112.02,1103.74 U1.A26@2149.37,1103.74
  Top Layer w10: J4.8@1150,1880 J3.8@1150,2070
  Bottom Layer w6: J4.8@1150,1880 1150,1870 1410,1610 v1(1575,1610)
PH7_PH11: J7.3 J13.25 U1.A25 | length 1008.5
  Top Layer w6: U1.A25@2271.63,1102.74 2367.26,1102.74 v1(2370,1100)
  Bottom Layer w6: v1(2370,1100) 2374.33,1100 2384.31,1090.01 2391.3,1090.01 2399.75,1081.57 2559.35,1081.57 2559.91,1081 3164.94,1081 3203.94,1120 J7.3@3255,1120
PH8_PH10: J13.27 U1.A27
PH9_PB15: J7.6 J13.8 U1.A8 | length 1478.9
  Top Layer w6: v1(2090,1240) 2093.06,1243.06 2103.06,1243.06 2104.47,1244.47 2148.37,1244.47 U1.A8@2149.37,1245.47 ; v1(2880,1160) 2880,1026.26 3037.26,869 3196,869 3245,820 J7.6@3255,820
  Bottom Layer w6: v1(2090,1240) 2269.49,1240 2300.75,1208.74 2353.23,1208.74 2390.97,1171 2817.28,1171 2828.28,1160 v1(2880,1160)
PH13_PD3: J3.1 J4.1 J13.17 U1.A17 | length 1116.2
  Top Layer w6: v1(1845,1595) 1993.81,1446.19 2026.4,1446.19 2172.15,1300.44 2172.15,1238.84 2244.26,1166.73 U1.A17@2270.63,1166.73
  Top Layer w10: J4.1@1850,1880 J3.1@1850,2070
  Bottom Layer w6: v1(1845,1595) 1845,1875 J4.1@1850,1880
PH14_PA10: J3.4 J4.4 J13.9 U1.A9 | length 1225.1
  Top Layer w6: J3.4@1550,2070 1550,1831 1686,1695 1797.32,1695 2014.32,1478 2028.54,1478 2196.15,1310.39 2196.15,1265.64 2227.82,1233.98 2250.56,1233.98 2253.81,1230.72 2259.85,1230.72 J13.9@2260.85,1229.72
PH15_PD2: J3.2 J4.2 J13.15 U1.A15 | length 1169.7
  Top Layer w6: J4.2@1743,1873 J4.2@1750,1880 ; v1(1760,1675) 1793.28,1675 2002.28,1466 2023.56,1466 2184.15,1305.42 2184.15,1243.81 2245.48,1182.48 U1.A15@2270.63,1182.48
  Top Layer w10: J4.2@1750,1880 J3.2@1750,2070
  Bottom Layer w6: J4.2@1750,1880 1738,1868 1738,1727 1760,1705 v1(1760,1675)
PI1_PA11: J3.3 J4.3 J13.7 U1.A7 | length 1254.3
  Top Layer w6: v1(1805,1770) 1805,1704.29 2019.29,1490 2033.51,1490 2208.15,1315.36 2208.15,1270.62 2232.79,1245.98 2255.53,1245.98 2256.03,1245.47 U1.A7@2270.63,1245.47
  Top Layer w10: J4.3@1650,1880 J3.3@1650,2070
  Bottom Layer w6: J4.3@1650,1880 1667.91,1897.91 1677,1897.91 1708.09,1929 1774.94,1929 1805,1898.94 v1(1805,1770)
PI2_PA12: J7.5 J13.3 U1.A3 | length 1333.9
  Top Layer w6: U1.A3@2271.63,1277.97 2305.2,1277.97 2308.72,1281.48 v1(2308.72,1282.22) ; v1(2941.87,1238.23) 2941.36,1237.73 2941.36,981.87 3042.23,881 3194.41,881 3213.82,900.41 3235.41,900.41 J7.5@3255,920
  Bottom Layer w6: v1(2308.72,1282.22) 2311.78,1279.16 2320.84,1279.16 2343.26,1256.74 2373.11,1256.74 2409.85,1220 2498.28,1220 2516.52,1238.23 v1(2941.87,1238.23)
PI3: J6.6 J13.19 U1.A19 | length 1059.4
  Top Layer w6: U1.A19@2270.63,1150.98 2271.63,1149.98 2301.92,1149.98 v1(2302.94,1148.96) ; v1(2815,1145) 2815,1074.29 3032.29,857 3083,857 3120,820 J6.6@3130,820
  Bottom Layer w6: v1(2302.94,1148.96) 2304.9,1147 2455.28,1147 2483.28,1119 2789,1119 v1(2815,1145)
PI5_PE0: J7.1 J13.46 U1.A46 | length 1399.4
  Top Layer w6: U1.A46@2149.37,946.26 U1.A46@2150.35,946.26 2180.81,946.26 2186.07,941 v1(2190.4,941) ; v1(3010,971) 3010,1173.94 3095.06,1259 3142.94,1259 3203.94,1320 J7.1@3255,1320
  Bottom Layer w6: v1(2190.4,941) 2194.73,941 2205.73,930 2231.51,930 2280.51,979 2997.67,979 3005.67,971 v1(3010,971)
PI6_PE1: J7.2 J13.45 U1.A45 | length 1234.7
  Top Layer w6: 2251.26,945 v1(2300,945) ; 2251.89,945.63 2270,945.63 U1.A45@2270.63,946.26 ; v1(3022.53,945.96) 3045,968.43 3045,1108.94 3117.06,1181 3164.94,1181 3203.94,1220 J7.2@3255,1220
  Bottom Layer w6: v1(2300,945) 2341.72,945 2361.72,965 2987.72,965 3003.7,949.02 3019.47,949.02 v1(3022.53,945.96)
RESET: J12.28 R26.1 SW1.1 U1.B28 | length 1748.6
  Top Layer w6: SW1.1@482.05,2118.58 SW1.1@737.95,2118.58 840,2016.54 R26.1@840,1790.18 ; 850,1790 v1(870,1790) ; v1(985,1015) 1018.62,1048.62 U1.B28@1059.37,1048.62
  Bottom Layer w6: v1(870,1790) 1080,1580 1080,1294.75 880,1094.75 880,1076.72 941.72,1015 v1(985,1015)
RX1_N: C82.2 J12.7 U1.B7 | length 746.9
  Top Layer w8: C82.2@510,1300 520.5,1289.5 709.7,1289.5 739.02,1318.81 937.4,1318.81 944.43,1325.84 1038.59,1325.84 1045.97,1318.47 1048.79,1318.47 1100,1267.27 1100,1254.81 1148.46,1206.35 1180.38,1206.35 U1.B7@1180.63,1206.1
RX1_P: C78.2 J12.9 U1.B9 | length 748
  Top Layer w8: C78.2@509.69,1265 520.18,1275.5 715.5,1275.5 744.81,1304.81 943.2,1304.81 950.23,1311.84 1032.79,1311.84 1037.48,1307.16 1084,1260.64 1084,1248.19 1141.83,1190.35 U1.B9@1179.65,1190.35 U1.B9@1180.63,1190.35
RX1A_N: C82.1 FOT2.10 | length 215.6
  Top Layer w8: FOT2.10@360,1310 326.1,1276.1 326.1,1269.47 330.78,1264.78 381.27,1264.78 405.99,1289.5 460.13,1289.5 C82.1@470.63,1300
RX1A_P: C78.1 FOT2.11 | length 233.1
  Top Layer w8: FOT2.11@260,1260 265.34,1265.34 310.42,1265.34 324.98,1250.78 387.07,1250.78 411.79,1275.5 459.82,1275.5 C78.1@470.32,1265
RX2_N: C71.1 J12.21 U1.B21 | length 966.1
  Top Layer w8: C71.1@504.68,705 515.18,694.5 528.01,694.5 576,742.49 576,797.54 605.28,826.82 605.28,874.77 718.12,987.62 901.15,987.62 986,1072.47 986,1079.1 977.78,1087.32 967.68,1087.32 v1(965,1090) ; v1(1149.52,1089.74) 1153.5,1093.71 1159.06,1093.71 1161.21,1095.87 U1.B21@1179.65,1095.87
  Bottom Layer w8: v1(965,1090) 966,1089 999.3,1089 1016.3,1106 1072.24,1106 1081.5,1096.74 1138.74,1096.74 1145.74,1089.74 v1(1149.52,1089.74)
RX2_P: C67.1 J12.19 U1.B19 | length 977.6
  Top Layer w8: C67.1@504.68,670 515.18,680.5 533.81,680.5 590,736.69 590,791.74 619.28,821.02 619.28,868.97 723.92,973.62 906.95,973.62 1000,1066.67 1000,1084.9 987.68,1097.22 987.68,1107.32 v1(985,1110) ; v1(1149.52,1117.74) 1152.88,1117.74 1159,1111.61 U1.B19@1179.65,1111.61
  Bottom Layer w8: v1(985,1110) 985.51,1110.51 1001.01,1110.51 1010.5,1120 1078.03,1120 1087.29,1110.74 1138.74,1110.74 1145.74,1117.74 v1(1149.52,1117.74)
RX2A_N: C71.2 FOT1.10 | length 277.7
  Top Layer w8: FOT1.10@360,660.47 326.1,626.57 326.1,619.94 349.72,596.31 406.31,596.31 430,620 430,669.69 C71.2@465.31,705
RX2A_P: C67.2 FOT1.11 | length 286.7
  Top Layer w8: FOT1.11@260,610.47 265.34,615.82 310.42,615.82 343.92,582.31 412.11,582.31 444,614.2 444,663.63 448.69,668.32 463.63,668.32 C67.2@465.31,670
SD1: FOT2.9 J12.31 U1.B31 | length 1336.4
  Top Layer w6: v1(826.03,1395.59) 826.62,1395 1095,1395 1250,1240 1250,1061.62 1205.51,1017.13 U1.B31@1179.65,1017.13
  Bottom Layer w6: FOT2.9@260,1360 790.44,1360 v1(826.03,1395.59)
SD2: FOT1.9 J12.35 U1.B35 | length 1772.6
  Top Layer w6: v1(860,1415) 918.72,1415 926.72,1407 1118,1407 1270,1255 1270,1021.72 1228.28,980 1211.68,980 1206.05,985.63 U1.B35@1179.65,985.63
  Bottom Layer w6: FOT1.9@260,710.47 260,714.96 860,1314.96 v1(860,1415)
SWCLK: J12.50 U1.B50
SWDIO: J12.48 U1.B48
TX1_N: C77.2 J12.1 U1.B1 | length 917.6
  Top Layer w8: C77.2@540,1700 550.5,1689.5 655,1689.5 744.83,1599.66 744.83,1447.08 828.17,1363.75 1043.11,1363.75 1128,1278.87 1128,1274.06 1149.58,1252.47 1169.98,1252.47 1170.85,1253.35 U1.B1@1179.65,1253.35
TX1_P: C73.2 J12.3 U1.B3 | length 917.9
  Top Layer w8: C73.2@539.69,1665 550.18,1675.5 649.2,1675.5 730.83,1593.86 730.83,1441.28 822.37,1349.75 1037.32,1349.75 1114,1273.07 1114,1268.26 1143.78,1238.47 1169.98,1238.47 1170.85,1237.6 U1.B3@1179.65,1237.6
TX1A_N: C77.1 FOT2.2 R24.2 | length 280.3
  Top Layer w8: FOT2.2@260,1719.06 314.75,1719.06 324.47,1728.78 378.8,1728.78 415.58,1692 454.47,1692 459.16,1696.69 459.16,1699.83 464.51,1705.18 R24.2@465,1705.18 465.49,1705.18 470.84,1699.83 470.84,1695.96 477.3,1689.5 490.13,1689.5 C77.1@500.63,1700
TX1A_P: C73.1 FOT2.3 R24.1 | length 263.6
  Top Layer w8: FOT2.3@360,1669.06 325.59,1703.47 325.59,1710.1 330.27,1714.78 373,1714.78 409.78,1678 454.47,1678 459.16,1673.31 459.16,1670.17 464.51,1664.82 R24.1@465,1664.82 465.49,1664.82 470.84,1670.17 470.84,1670.81 475.53,1675.5 489.82,1675.5 C73.1@500.32,1665
TX2_N: C66.1 J12.27 U1.B27 | length 731.2
  Top Layer w8: C66.1@534.68,1150 545.18,1139.5 901.62,1139.5 933.82,1107.31 933.82,1089.08 927.68,1082.94 927.68,1072.68 v1(925,1070) ; v1(1145,1042.5) 1148.79,1042.5 1154.91,1048.62 U1.B27@1179.65,1048.62
  Bottom Layer w8: v1(925,1070) 927.68,1067.32 938.18,1067.32 968.87,1036.63 1125.14,1036.63 1129.74,1041.23 1143.74,1041.23 v1(1145,1042.5)
TX2_P: C62.1 J12.25 U1.B25 | length 741.2
  Top Layer w8: C62.1@534.68,1115 545.18,1125.5 895.83,1125.5 919.82,1101.51 919.82,1094.88 912.62,1087.68 902.68,1087.68 v1(900,1085) ; v1(1131.29,1068.38) 1133.55,1066.12 1169.1,1066.12 1170.85,1064.37 U1.B25@1179.65,1064.37
  Bottom Layer w8: v1(900,1085) 902.68,1087.68 912.98,1087.68 916.3,1091 934.3,1091 974.67,1050.63 1119.34,1050.63 1125.92,1057.22 1125.92,1059.23 1131.29,1064.59 v1(1131.29,1068.38)
TX2A_N: C66.2 FOT1.2 R20.2 | length 279.7
  Top Layer w8: FOT1.2@260,1069.53 314.75,1069.53 377.22,1132 418.04,1132 423.04,1137 449.47,1137 454.16,1141.69 454.16,1144.83 459.51,1150.18 460.49,1150.18 465.84,1144.83 465.84,1144.19 470.53,1139.5 484.81,1139.5 C66.2@495.31,1150
TX2A_P: C62.2 FOT1.3 R20.1 | length 271.5
  Top Layer w8: FOT1.3@360,1019.53 325.59,1053.94 325.59,1060.57 383.02,1118 423.84,1118 428.84,1123 449.47,1123 454.16,1118.31 454.16,1115.17 459.51,1109.82 460.49,1109.82 465.84,1115.17 465.84,1119.35 471.99,1125.5 484.81,1125.5 C62.2@495.31,1115
V+: C27.2 FB3.2 J12.4 R19.2 U1.B4 U9.2 | length 954.9
  Top Layer w6: FB3.2@665,532.44 722.44,532.44 C27.2@730,540 ; C27.2@730.94,545 730.94,578.46 800,647.52 v1(800,840) ; v1(990,1250) 993.48,1250 1005.88,1237.6 U1.B4@1059.37,1237.6
  Bottom Layer w6: v1(800,840) 800,1060 v1(990,1250)
V_IN: D1.A J14.1 TVS1.C | length 435.1
  Top Layer w50: J14.1@279.91,306.84 279.91,324.27 281.85,326.22 TVS1.C@281.85,451.34 ; TVS1.C@281.85,435 281.85,471.85 321.73,511.73 416.61,511.73 D1.A@488.5,583.62
V_REF: J13.66 U1.A66
VCC_A: C8.2 C9.2 FB2.2 J1.9 J2.9 | length 416.8
  Top Layer w10: FB2.2@2066.42,1696.72 C8.2@2066.42,1750 ; C8.2@2078,1770.69 C9.2@2124,1770.69 2124,1787 2080,1831 J2.9@2080,1880 J1.9@2080,2070
VCC_IO: C1.2 C2.1 C12.2 C15.2 C20.2 FB2.1 J3.9 J4.9 J5.2 J8.9 J9.9 J10.9 J11.9 U2.23 U2.24 U4.23 U4.24 | length 1207.2
  Top Layer w10: U2.23@1683.58,382.09 1683.58,389.17 1684.09,389.69 C15.2@1750,389.69 1750,410 1739.53,420.47 U2.24@1702.28,420.47 ; v1(2018.7,1670) C1.2@2018.7,1623.79 2018.7,1612.11 2041.13,1589.69 C2.1@2069.69,1589.69 2069.69,1627.3 FB2.1@2075,1632.62 ; U4.23@2413.58,337.09 2413.58,339.17 2414.09,339.69 C20.2@2480,339.69 2480,360 2464.53,375.47 U4.24@2432.28,375.47
  Top Layer w20: J9.9@1750,170 1750,260 1780,290 1780,377.97 1768.28,389.69 C15.2@1750,389.69 ; C20.2@2480,339.69 2620.31,339.69 2780,180 J11.9@2780,170
  Top Layer w25: J5.2@105,340 111.51,346.51 140.39,346.51 183.99,390.1 198.8,390.1 C12.2@205,396.3
VDDA: J13.64 U1.A64
pads on no net: FD1.F FD2.F FD3.F FD4.F FD5.F FD6.F FD7.F FD8.F FD9.F FD10.F ST1.1 ST2.1 ST3.1 ST4.1 TVS3.A TVS3.C U7.1 U9.7 U9.8

## Polygon pours and split planes (outlines as drawn)
3V3 on Signal Layer 2 "NO_THERMAL" (solid, remove dead copper, pour order 40): 835,1771.12 936.12,1670 1445,1670 1645,1470 2560,1470 2760,1270 2760,635 2565,440 649.03,440 649.03,390 -150,390 -150,2200 835,2200
VCC_IO on Signal Layer 2 "NO_THERMAL" (solid, remove dead copper, pour order 92): 3350,1782 3350,-149.53 -150,-149.53 -150,1782
3V3 on Signal Layer 2 "NO_THERMAL" (solid, remove dead copper, pour order 108): 825,1095 825,964.58 839.58,950 917.64,950 925,957.36 925,1070 900,1095
VCC_IO on Signal Layer 2 "PWR" (solid, remove dead copper, pour order 64): 833,2200 3350,2200 3350,1780 833,1780
GND on Signal Layer 1 "NO_THERMAL" (solid, remove dead copper, pour order 30): -150,-150 -149.53,1605 -150,2200 3350,2200 3350,-150
GND on Bottom Layer "gnd" (solid, remove dead copper, pour order 106): 3350,850 1410,850 1410,190 -150,190 -150,-150 3350,-150
GND on Bottom Layer "gnd" (solid, remove dead copper, pour order 105): -150,2200 -150,-150 750,-150 750,730 1410,730 1410,450 3350,450 3350,2200
5V on Bottom Layer "NO_THERMAL" (solid, remove dead copper, pour order 102): 1150.16,716.14 863.79,716.14 793.82,646.17 793.82,111.17 43.82,111.17 43.82,661.17 608.82,661.17 608.82,891.17 1148.96,891.17
GND on Bottom Layer "NO_THERMAL" (solid, pour order 98): 800,634.62 800,220 1385,220 1385,715 880.38,715
5VA on Bottom Layer "5V" (solid, remove dead copper, pour order 32): 2175,1800 2945,1800 2945,1490 2175,1490
GND on Top Layer "gnd" (solid, remove dead copper, pour order 107): -150,2200 -150,-150 1150,-150 1150,200 680,200 680,1000 1050,1000 1050,650 1150,650 1150,-150 3350,-150 3350,2200
GND on Top Layer "NO_THERMAL" (solid, remove dead copper, pour order 104): 800,600 800,850 890,850 890,1030 590.77,1030 590.77,600.77 590,600
3V3 on Top Layer "NO_THERMAL" (solid, remove dead copper, pour order 99): 1200,865 1280,865 1280,745 1200,745
NetL1_1 on Top Layer "NO_THERMAL" (solid, pour order 50): 975.31,448.73 975.31,488.73 1390,488.73 1390,373.73 1015.31,373.73 1015.31,448.73
5V on Top Layer "NO_THERMAL" (solid, remove dead copper, pour order 52): 900,970 1035,970 1035,835 1035,750 1400.15,750 1399.45,498.73 955.31,498.73 955,610 810,610 810,835 900,835
V+ on Top Layer "NO_THERMAL" (solid, pour order 60): 690,585 690,428.73 925.31,428.73 925.31,443.73 895.31,443.73 870.31,468.73 840.31,468.73 840.31,585
GND on Top Layer "NO_THERMAL" (solid, remove dead copper, pour order 62): 825.31,403.73 800.31,403.73 800.31,418.73 790.31,428.73 700,428.73 700,220 1130,220 1130,360 975.31,360 975.31,600 845.31,600 845.32,368.73 825.31,368.73

## Keep-outs
Keep-Out Layer:
  lines w10: -150,-0.33 -150,50 -150,2000 -150,2050.33 ; -150,0 ccw(c0,0) 0,-150 ; -150,230.87 -150,1819.13 ; -150,2050 cw(c0,2050) 0,2200 ; -0.33,-150 50,-150 3150,-150 3200.33,-150 ; -0.33,2200 50,2200 3150,2200 3200.33,2200 ; 230,-150 1519.13,-150 ; 230.87,2200 1520,2200 ; 1680,-150 2969.13,-150 2284.35,-150 ; 1680.87,2200 2970,2200 ; 3200,-150 ccw(c3200,0) 3350,0 ; 3200,2200 cw(c3200,2050) 3350,2050 ; 3350,-0.33 3350,50 3350,2000 3350,2050.33 ; 3350,230 3350,1820

## Silkscreen, mask and mechanical layers (free items; w line width, h text height)
Top Overlay:
  drawing of 19 lines, arcs and shapes, not listed
  text "RESET" at 830,1940 h40 r90
  text "B1 B2 B3 B4 B5 B6 B7 B8  +  -" at 1880,1820 h33 r180
  text "A1 A2 A3 A4 A5 A6 A7 A8  +  -" at 2900,1820 h33 r180
  text "C8 C7 C6 C5 C4 C3 C2 C1" at 2985,600 h33 r90
  text "D8 D7 D6 D5 D4 D3 D2 D1" at 3055,600 h33 r90
  text "3V3 5V" at -25,485 h50 r270
  text "PCBA-2075-02 REV A1" at 2712.77,390 h120 r90
  text "HEBI ROBOTICS" at 2795,390 h120 r90
  text "-   +" at 2985,385 h33 r90
  text "E1 E2 E3 E4 E5 E6 E7 E8  +  -" at 930,230 h33
  text "F1 F2 F3 F4 F5 F6 F7 F8  +  -" at 1950,230 h33
  text "V+ GND MS+ MS-" at 110,-205 h50
Bottom Overlay:
  lines w10: 850,1050 2950,1050 ; 1900,300 1900,1750
  text "B1  / B2 / B3 / B4 / B5 / B6 / B7 / B8 / VCC I/O / GND" at 910,1410 h57 r270
  text "A1 / A2 / A3 / A4 / A5 / A6 / A7 / A8 / VCC I/O / GND" at 1940,1410 h57 r270
  text "DIGITAL INPUTS" at 1360,1220 h57 r270
  text "ANALOG INPUTS" at 2390,1200 h57 r270
  text "PWM OUTPUTS" at 2200,470 h57 r270
  text "DIGITAL OUTPUTS" at 1170,450 h57 r270
  text "GND / VCC I/O / E8 / E7 / E6 / E5 / E4 / E3 / E2 / E1" at 910,230 h57 r270
  text "GND / VCC I/O / F8 / F7 / F6 / F5 / F4 / F3 / F2 / F1" at 1940,230 h57 r270
  text "Power:  / 12-48V DC" at 635,5 h50
Panel Outline:
  lines w5: -750,-750 3950,-750 ; -750,-750 3950,-750 ; -750,-750 -750,2800 ; -750,-750 -750,2800 ; -750,2800 3950,2800 ; -750,2800 3950,2800 ; 3950,-750 3950,2800 ; 3950,-750 3950,2800 ; -330,-280 ccw(c-280,-280) -280,-330 50,-330 ccw(c50,-280) 100,-280 100,-200 ccw(c50,-200) 50,-150 0,-150 cw(c0,0) -150,0 -150,50 ccw(c-200,50) -200,100 -280,100 ccw(c-280,50) -330,50 -330,-280 ; -330,250 ccw(c-280,250) -280,200 -200,200 ccw(c-200,250) -150,250 -150,1800 ccw(c-200,1800) -200,1850 -280,1850 ccw(c-280,1800) -330,1800 -330,250 ; -330,2000 ccw(c-280,2000) -280,1950 -200,1950 ccw(c-200,2000) -150,2000 -150,2050 cw(c0,2050) 0,2200 50,2200 ccw(c50,2250) 100,2250 100,2330 ccw(c50,2330) 50,2380 -280,2380 ccw(c-280,2330) -330,2330 -330,2000 ; 200,-280 ccw(c250,-280) 250,-330 1500,-330 ccw(c1500,-280) 1550,-280 1550,-200 ccw(c1500,-200) 1500,-150 250,-150 ccw(c250,-200) 200,-200 200,-280 ; 200,2250 ccw(c250,2250) 250,2200 1500,2200 ccw(c1500,2250) 1550,2250 1550,2330 ccw(c1500,2330) 1500,2380 250,2380 ccw(c250,2330) 200,2330 200,2250 ; 1650,-280 ccw(c1700,-280) 1700,-330 2950,-330 ccw(c2950,-280) 3000,-280 3000,-200 ccw(c2950,-200) 2950,-150 1700,-150 ccw(c1700,-200) 1650,-200 1650,-280 ; 1650,2250 ccw(c1700,2250) 1700,2200 2950,2200 ccw(c2950,2250) 3000,2250 3000,2330 ccw(c2950,2330) 2950,2380 1700,2380 ccw(c1700,2330) 1650,2330 1650,2250 ; 3100,-280 ccw(c3150,-280) 3150,-330 3480,-330 ccw(c3480,-280) 3530,-280 3530,50 ccw(c3480,50) 3480,100 3400,100 ccw(c3400,50) 3350,50 3350,0 cw(c3200,0) 3200,-150 3150,-150 ccw(c3150,-200) 3100,-200 3100,-280 ; 3100,2250 ccw(c3150,2250) 3150,2200 3200,2200 cw(c3200,2050) 3350,2050 3350,2000 ccw(c3400,2000) 3400,1950 3480,1950 ccw(c3480,2000) 3530,2000 3530,2330 ccw(c3480,2330) 3480,2380 3150,2380 ccw(c3150,2330) 3100,2330 3100,2250 ; 3350,250 ccw(c3400,250) 3400,200 3480,200 ccw(c3480,250) 3530,250 3530,1800 ccw(c3480,1800) 3480,1850 3400,1850 ccw(c3400,1800) 3350,1800 3350,250
Board Outline:
  lines w5: -150,-0.33 -150,50 -150,2000 -150,2050.33 ; -150,0 ccw(c0,0) 0,-150 ; -150,2050 cw(c0,2050) 0,2200 ; -0.33,-150 50,-150 3150,-150 3200.33,-150 ; -0.33,2200 50,2200 3150,2200 3200.33,2200 ; 3200,-150 ccw(c3200,0) 3350,0 ; 3200,2200 cw(c3200,2050) 3350,2050 ; 3350,-0.33 3350,50 3350,2000 3350,2050.33

## Text inside footprints (layer, text, board x,y; h text height)
C29: Top Overlay "+" at 965,715 h40 r180; Top Overlay "-" at 645,720 h40 r180